# Altium PCB MiniPC.PcbDoc (part 11 of 23)
Units mm, origin at the board's own origin, x right, y up, seen from the top; angles counter-clockwise.
Board outline 175 x 155 mm, 16 copper layers (1_Top, 2_int1_(gnd), 3_int2_(power), 4_int3_(gnd), 5_int4_(sign), 6_int5_(power), 7_int6_(sign), 8_int7_(power), 9_int8_(gnd), 10_int9_(sign), 11_int10_(gnd), 12_int11_(sign), 13_int12_(gnd), 14_int13_(power), 15_int14_(gnd), 16_Bottom), stack 2.008 mm thick; 1046 components, 841 nets, 6010 pads, 4016 vias.
Unrouted connection lines stored in the file: 602.
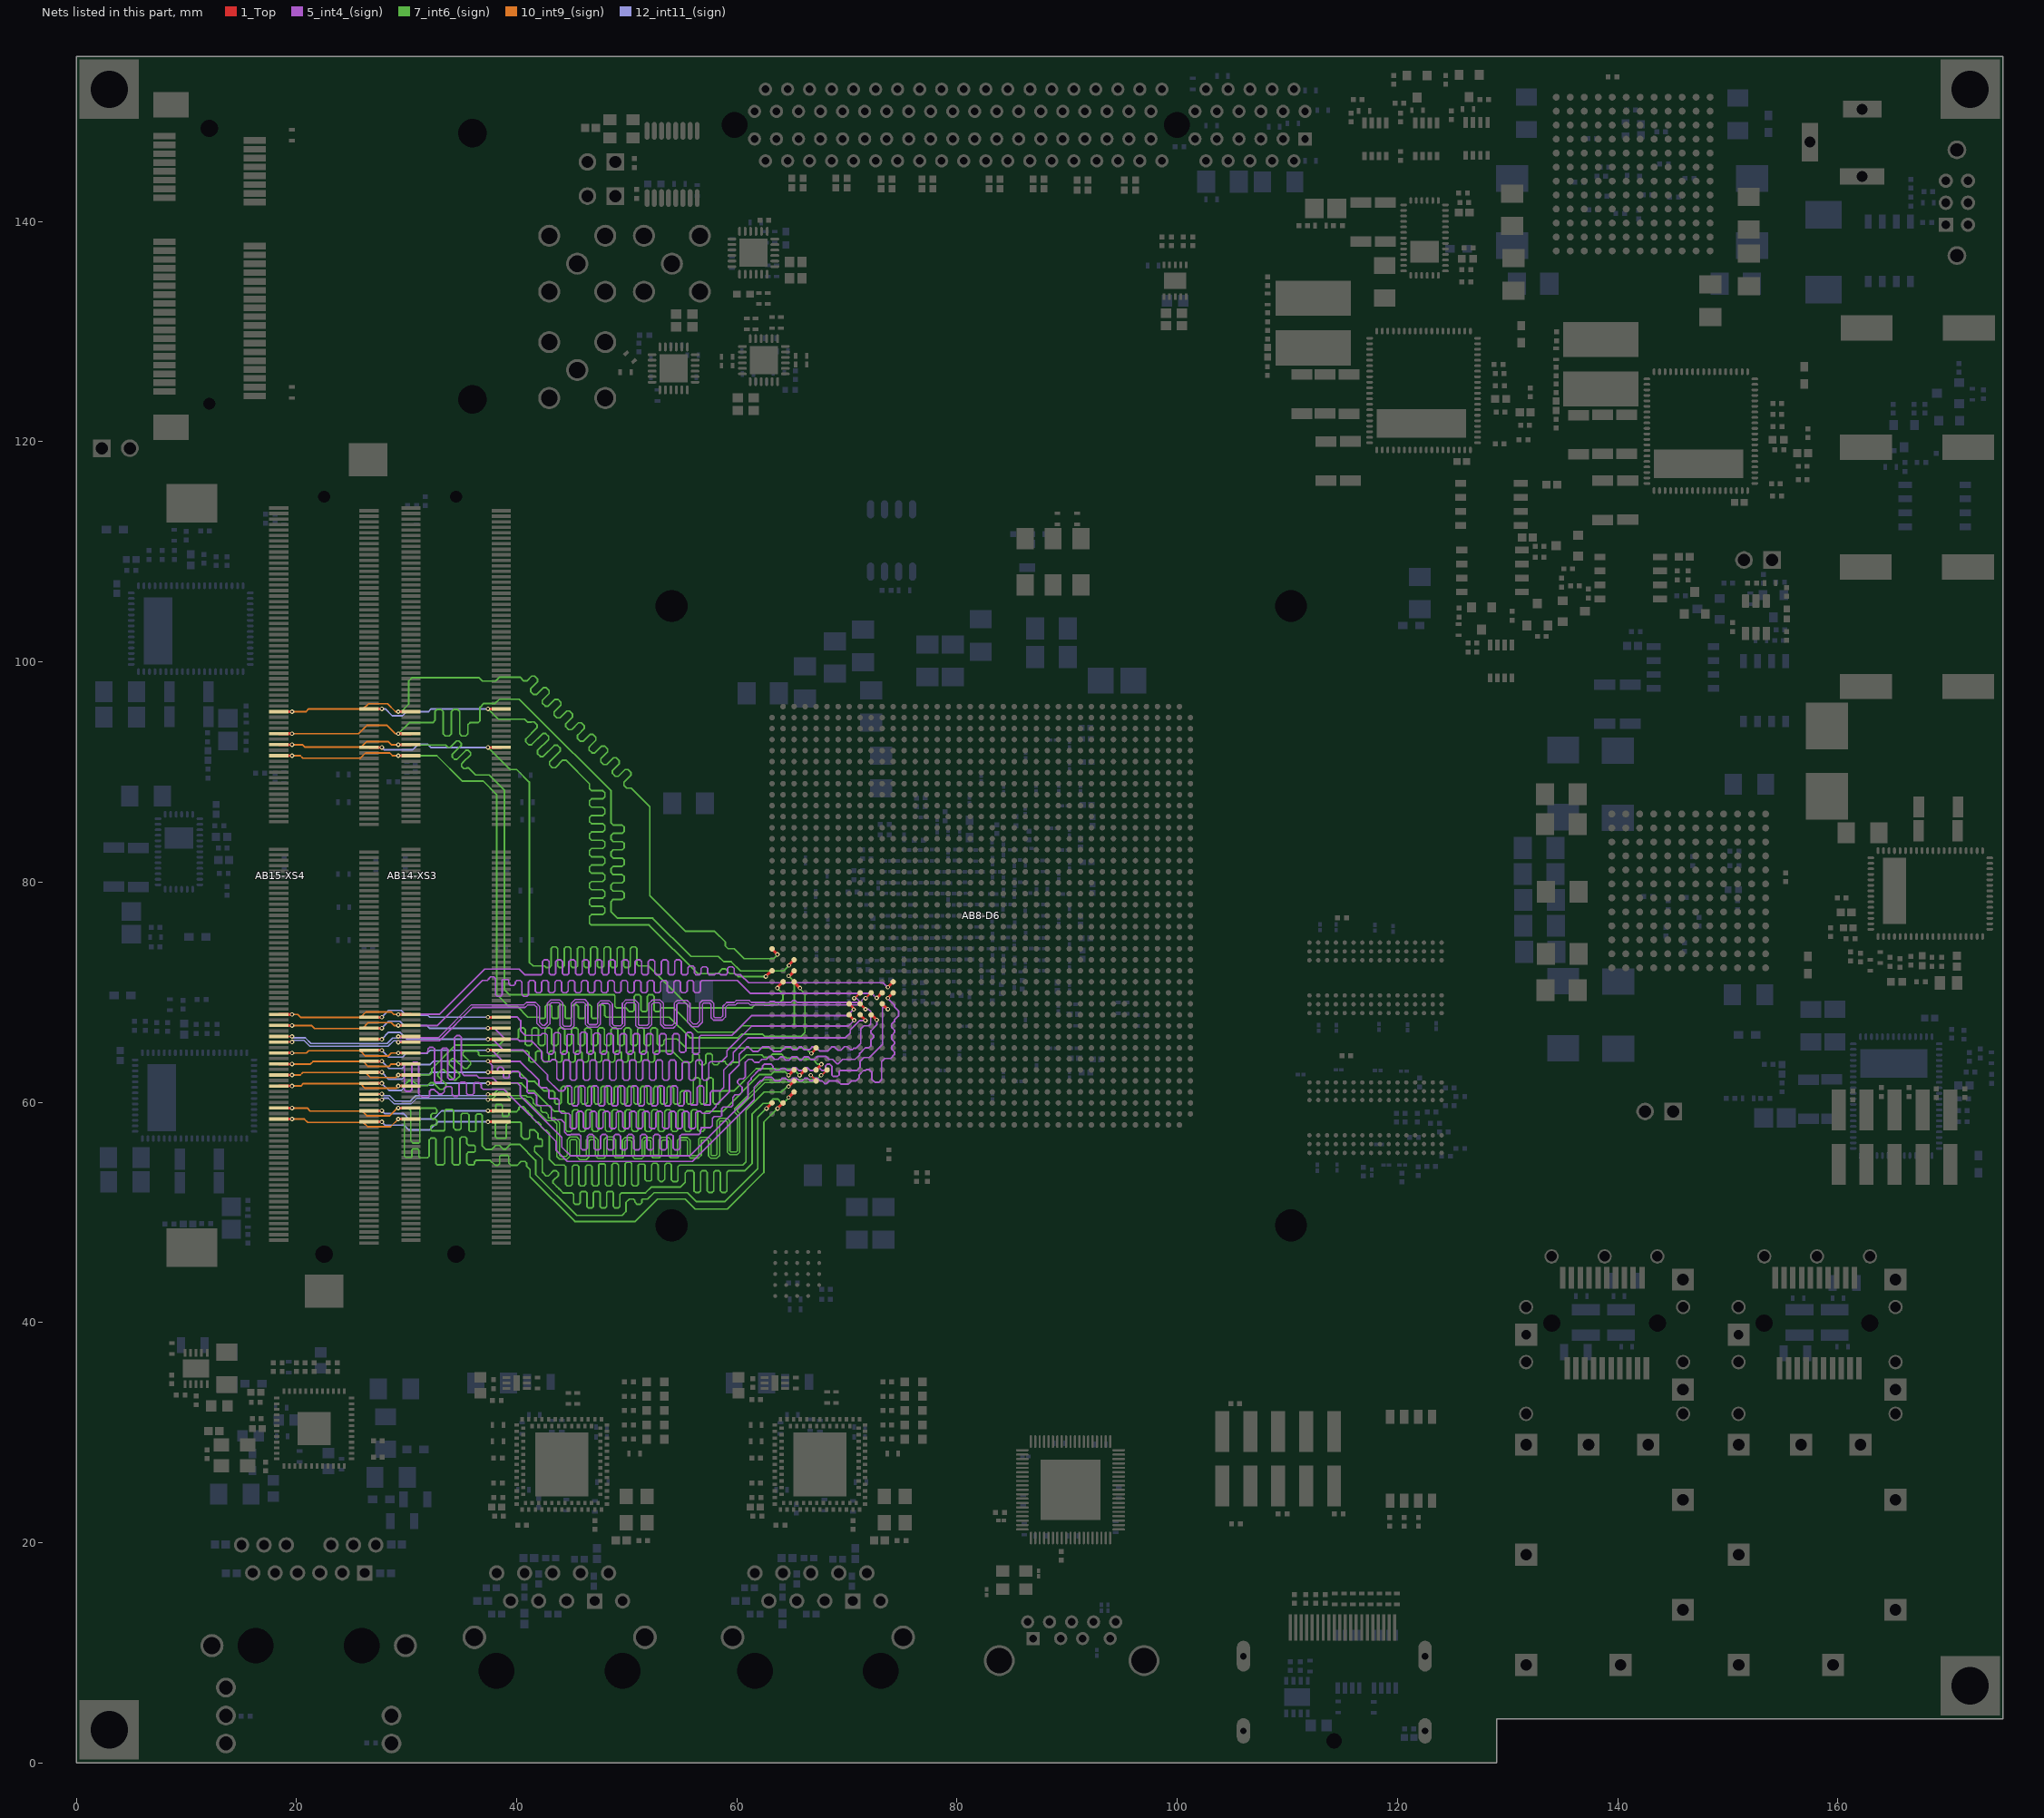
[diagram p25: the nets of this part, all layers, seen from the top]

## Via types
v1: diameter 0.4, hole 0.2, 1_Top to 16_Bottom, tented both sides, 1658 vias
v2: diameter 0.7, hole 0.3, 1_Top to 16_Bottom, tented both sides, 915 vias
v3: diameter 0.5, hole 0.2, 1_Top to 16_Bottom, tented both sides, 854 vias
v4: diameter 0.6, hole 0.2, 1_Top to 16_Bottom, 278 vias
v5: diameter 0.5, hole 0.2, 1_Top to 16_Bottom, 162 vias
v6: diameter 0.4, hole 0.2, 1_Top to 16_Bottom, 100 vias
v7: diameter 0.4/0/0/0/0/0/0/0/0/0/0/0/0/0/0/0.4 (per signal layer), hole 0.2, 1_Top to 16_Bottom, tented both sides, 18 vias
v8: diameter 0.4/0/0/0/0/0/0/0/0/0/0/0.4/0.4/0.4/0.4/0.4 (per signal layer), hole 0.2, 1_Top to 16_Bottom, tented both sides, 16 vias
v9: diameter 0.5, hole 0.254, 1_Top to 16_Bottom, 15 vias

## Nets (pads, with @x,y where several pads share a name; then routed paths per layer and width w, separated by ;. In a path a pad name is that pad's centre, name@x,y a point inside that pad or via, vN(x,y) a via of type N, cw(c..) or ccw(c..) an arc to the next point about the centre after c; other vN are vias at no path point) (continued)
DDR4_BLK1.DL3.DQ16: AB8-D6.AU1 AB14-XS3.50 AB15-XS4.50 | length 79.5
  1_Top w0.25: AB15-XS4.50@18.4,59.475 v1(19.602,59.475) ; v1(29.25,59.475) AB14-XS3.50@30.4,59.475 ; v1(62.694,59.439) AB8-D6.AU1@63.194,59.939
  7_int6_(sign) w0.15: v1(29.25,59.475) 30.125,59.475 30.375,59.225 30.375,56.5 30.575,56.3 31.1,56.3 31.2,56.4 31.2,59.325 31.35,59.475 32.6,59.475 32.75,59.325 32.75,59.075 32.675,59 32.35,59 32.225,58.875 32.225,58.6 32.35,58.475 32.625,58.475 32.75,58.35 32.75,58 32.675,57.925 32.325,57.925 32.2,57.8 32.2,57.5 32.3,57.4 33.375,57.4 33.475,57.5 33.475,59.225 33.6,59.35 34.15,59.35 34.275,59.225 34.275,57.675 34.45,57.5 34.825,57.5 34.95,57.625 34.95,58.875 35.075,59 35.525,59 35.675,58.85 35.675,57.45 35.775,57.35 36.2,57.35 36.3,57.45 36.3,58.825 36.4,58.925 36.75,58.925 36.875,58.8 36.875,56.025 37.175,55.725 37.75,55.725 38.1,56.075 38.45,56.075 38.8,55.725 39,55.725 39.45,56.175 40.275,56.175 41.725,54.725 41.725,53.45 45.45,49.725 49.575,49.725 49.925,50.075 49.925,50.9 50.225,51.2 50.6,51.2 50.725,51.075 50.725,50.95 50.95,50.725 51.2,50.725 51.375,50.9 51.375,51.15 51.425,51.2 51.9,51.2 52.48,51.78 55.52,51.78 56.31,50.99 58.915,50.99 61.902,53.977 61.902,58.648 v1(62.694,59.439)
  10_int9_(sign) w0.15: v1(19.602,59.475) 20.975,59.475 21.25,59.2 25.95,59.2 26.375,58.775 28.475,58.775 29.175,59.475 v1(29.25,59.475)
DDR4_BLK1.DL3.DQ17: AB8-D6.AR3 AB14-XS3.49 AB15-XS4.49 | length 82.7
  1_Top w0.25: AB15-XS4.49@26.6,59.225 v1(27.75,59.225) ; v1(37.398,59.225) AB14-XS3.49@38.6,59.225 ; v1(64.694,61.439) AB8-D6.AR3@65.194,61.939
  7_int6_(sign) w0.15: v1(37.398,59.225) 37.473,59.15 37.9,59.15 38.1,59.35 38.1,59.729 38.171,59.8 38.6,59.8 38.7,59.7 38.7,58.8 38.775,58.725 39.2,58.725 39.3,58.825 39.3,59.05 39.4,59.15 40,59.15 40.2,59.35 40.2,59.5 40.3,59.6 40.6,59.6 41.025,59.175 41.025,59.15 41.4,58.775 41.4,58.575 41.775,58.2 41.975,58.2 42.2,57.975 42.2,57.8 42.525,57.475 42.7,57.475 42.975,57.2 42.975,54.8 43.475,54.3 44.3,54.3 44.45,54.15 44.45,52.555 44.6,52.405 44.9,52.405 45.05,52.555 45.05,54.15 45.2,54.3 45.5,54.3 45.65,54.15 45.65,52.555 45.8,52.405 46.1,52.405 46.25,52.555 46.25,54.15 46.4,54.3 46.7,54.3 46.85,54.15 46.85,52.555 47,52.405 47.3,52.405 47.45,52.555 47.45,54.3 47.56,54.41 47.94,54.41 48.05,54.3 48.05,52.555 48.2,52.405 48.5,52.405 48.65,52.555 48.65,54.305 48.8,54.455 49.1,54.455 49.25,54.305 49.25,52.555 49.4,52.405 49.7,52.405 49.85,52.555 49.85,54.424 50,54.574 50.3,54.574 50.45,54.424 50.45,52.555 50.6,52.405 50.9,52.405 51.05,52.555 51.05,54.3 51.135,54.385 51.565,54.385 51.65,54.3 51.65,53 51.8,52.85 52.15,52.85 52.25,52.95 52.25,54.305 52.4,54.455 52.7,54.455 52.85,54.305 52.85,53 53.05,52.8 53.25,52.8 53.45,53 53.45,54.311 53.6,54.461 53.9,54.461 54.05,54.311 54.05,52.95 54.2,52.8 54.55,52.8 54.65,52.9 54.65,54.15 54.8,54.3 60.525,54.3 60.825,54.6 60.825,59.275 62.475,60.925 64.05,60.925 64.564,61.439 v1(64.694,61.439)
  12_int11_(sign) w0.15: v1(27.75,59.225) 28,58.975 29.725,58.975 30.225,58.475 32.45,58.475 33.2,59.225 v1(37.398,59.225)
DDR4_BLK1.DL3.DQ18: AB8-D6.AM5 AB14-XS3.62 AB15-XS4.62 | length 83.6
  1_Top w0.25: AB15-XS4.62@18.4,62.475 v1(19.602,62.475) ; v1(29.25,62.475) AB14-XS3.62@30.4,62.475 ; v1(66.775,64.425) 66.775,64.45 67.194,64.869 AB8-D6.AM5@67.194,64.939
  7_int6_(sign) w0.15: v1(29.25,62.475) 29.275,62.5 32.1,62.5 32.3,62.7 32.3,63.05 34.45,65.2 38.4,65.2 38.95,65.75 40.025,65.75 40.175,65.9 40.175,66.6 40.325,66.75 40.625,66.75 40.775,66.6 40.775,65.31 40.925,65.16 41.225,65.16 41.375,65.31 41.375,66.6 41.525,66.75 41.825,66.75 41.975,66.6 41.975,65.31 42.125,65.16 42.425,65.16 42.575,65.31 42.575,66.6 42.725,66.75 43.025,66.75 43.175,66.6 43.175,65.31 43.325,65.16 43.625,65.16 43.775,65.31 43.775,66.6 43.925,66.75 44.225,66.75 44.375,66.6 44.375,65.31 44.525,65.16 44.825,65.16 44.975,65.31 44.975,66.6 45.125,66.75 45.425,66.75 45.575,66.6 45.575,65.31 45.725,65.16 46.025,65.16 46.175,65.31 46.175,66.6 46.325,66.75 46.625,66.75 46.775,66.6 46.775,65.31 46.925,65.16 47.225,65.16 47.375,65.31 47.375,66.6 47.525,66.75 47.825,66.75 47.975,66.6 47.975,65.31 48.125,65.16 48.425,65.16 48.575,65.31 48.575,66.6 48.725,66.75 49.025,66.75 49.175,66.6 49.175,65.31 49.325,65.16 49.625,65.16 49.775,65.31 49.775,66.6 49.925,66.75 50.225,66.75 50.375,66.6 50.375,65.31 50.525,65.16 50.825,65.16 50.975,65.31 50.975,66.6 51.125,66.75 51.425,66.75 51.575,66.6 51.575,65.31 51.725,65.16 52.025,65.16 52.175,65.31 52.175,66.6 52.325,66.75 52.625,66.75 52.775,66.6 52.775,65.31 52.925,65.16 53.225,65.16 53.375,65.31 53.375,65.6 53.525,65.75 54.576,65.75 55.401,64.925 66.208,64.925 66.708,64.425 v1(66.775,64.425)
  10_int9_(sign) w0.15: v1(19.602,62.475) 20.35,62.475 20.575,62.7 26.25,62.7 26.7,62.25 29.025,62.25 v1(29.25,62.475)
DDR4_BLK1.DL3.DQ19: AB8-D6.AP4 AB14-XS3.63 AB15-XS4.63 | length 82.5
  1_Top w0.25: AB15-XS4.63@26.6,62.725 v1(27.75,62.725) ; v1(37.398,62.725) AB14-XS3.63@38.6,62.725 ; v1(65.694,62.439) AB8-D6.AP4@66.194,62.939
  7_int6_(sign) w0.15: v1(37.398,62.725) 37.448,62.775 40.2,62.775 41.088,61.887 41.638,61.887 42.501,61.025 43.3,61.025 43.45,60.875 43.45,59.975 43.6,59.825 43.9,59.825 44.05,59.975 44.05,61.302 44.2,61.452 44.5,61.452 44.65,61.302 44.65,59.975 44.8,59.825 45.1,59.825 45.25,59.975 45.25,61.302 45.4,61.452 45.7,61.452 45.85,61.302 45.85,59.975 46,59.825 46.3,59.825 46.45,59.975 46.45,61.302 46.6,61.452 46.9,61.452 47.05,61.302 47.05,59.975 47.2,59.825 47.5,59.825 47.65,59.975 47.65,61.302 47.8,61.452 48.1,61.452 48.25,61.302 48.25,59.975 48.4,59.825 48.7,59.825 48.85,59.975 48.85,61.302 49,61.452 49.3,61.452 49.45,61.302 49.45,59.975 49.6,59.825 49.9,59.825 50.05,59.975 50.05,61.302 50.2,61.452 50.5,61.452 50.65,61.302 50.65,59.975 50.8,59.825 51.1,59.825 51.25,59.975 51.25,61.302 51.4,61.452 51.7,61.452 51.85,61.302 51.85,59.975 52,59.825 52.3,59.825 52.45,59.975 52.45,61.302 52.6,61.452 52.9,61.452 53.05,61.302 53.05,59.975 53.2,59.825 53.5,59.825 53.65,59.975 53.65,61.302 53.8,61.452 54.1,61.452 54.25,61.302 54.25,59.975 54.4,59.825 54.7,59.825 54.85,59.975 54.85,60.875 55,61.025 55.3,61.025 55.45,60.875 55.45,59.975 55.6,59.825 55.9,59.825 56.05,59.975 56.05,62.075 56.2,62.225 56.5,62.225 56.65,62.075 56.65,59.975 56.8,59.825 57.1,59.825 57.25,59.975 57.25,62.075 57.4,62.225 57.7,62.225 57.85,62.075 57.85,59.975 58,59.825 58.3,59.825 58.45,59.975 58.45,60.875 58.6,61.025 59.725,61.025 61.753,63.053 63.517,63.053 63.545,63.025 64.476,63.025 64.501,63 65.133,63 v1(65.694,62.439)
  12_int11_(sign) w0.15: v1(27.75,62.725) 28.375,62.1 29.575,62.1 30,62.525 32.05,62.525 32.25,62.725 v1(37.398,62.725)
DDR4_BLK1.DL3.DQ20: AB8-D6.AU2 AB14-XS3.46 AB15-XS4.46 | length 79.5
  1_Top w0.25: AB15-XS4.46@18.4,58.475 v1(19.602,58.475) ; v1(29.25,58.475) AB14-XS3.46@30.4,58.475 ; v1(63.694,59.439) AB8-D6.AU2@64.194,59.939
  7_int6_(sign) w0.15: v1(29.25,58.475) 29.7,58.475 29.8,58.375 29.8,55.125 29.925,55 30.425,55 30.475,55.05 30.475,55.65 30.575,55.75 31.025,55.75 31.125,55.65 31.125,55.05 31.225,54.95 31.9,54.95 32.05,55.1 32.05,56.575 32.225,56.75 32.55,56.75 32.675,56.625 32.675,54.425 32.775,54.325 33.325,54.325 33.475,54.475 33.475,56.7 33.625,56.85 34,56.85 34.15,56.7 34.15,54.475 34.3,54.325 34.725,54.325 34.85,54.45 34.85,56.7 35,56.85 35.325,56.85 35.475,56.7 35.475,56.25 35.625,56.1 36.125,56.1 36.225,56 36.225,55.55 36.15,55.475 35.625,55.475 35.475,55.325 35.475,54.475 35.625,54.325 36.075,54.325 36.175,54.425 36.175,54.6 36.3,54.725 37.6,54.725 38.05,54.275 38.3,54.275 38.45,54.425 38.45,55.075 38.55,55.175 39.2,55.175 39.275,55.1 39.275,54.5 39.5,54.275 40.05,54.275 40.4,54.625 40.75,54.625 40.9,54.475 40.9,54.2 41.215,53.885 41.215,53.239 45.279,49.175 50.775,49.175 52.8,51.2 55.3,51.2 56.2,50.3 59.125,50.3 62.45,53.625 62.45,58.195 v1(63.694,59.439)
  10_int9_(sign) w0.15: v1(19.602,58.475) 20.72,58.475 21.02,58.175 26.05,58.175 26.45,57.775 28.55,57.775 v1(29.25,58.475)
DDR4_BLK1.DL3.DQ21: AB8-D6.AT3 AB14-XS3.45 AB15-XS4.45 | length 79.8
  1_Top w0.25: AB15-XS4.45@26.6,58.225 v1(27.75,58.225) ; v1(37.398,58.225) AB14-XS3.45@38.6,58.225 ; v1(64.694,60.439) AB8-D6.AT3@65.194,60.939
  7_int6_(sign) w0.15: v1(37.398,58.225) 37.9,58.225 38.075,58.05 38.075,56.875 38.225,56.725 38.975,56.725 39.05,56.8 39.05,57.95 39.3,58.2 40.3,58.2 40.425,58.075 40.425,56.9 40.65,56.675 41.05,56.675 41.175,56.8 41.175,57.45 41.225,57.5 41.6,57.5 41.925,57.175 41.925,56.75 42,56.675 42.225,56.675 42.325,56.575 42.325,56 41.7,56 41.625,55.925 41.625,55.55 42.325,54.85 42.325,53.65 42.353,53.622 42.671,53.304 42.883,53.304 43.369,53.79 43.581,53.79 43.793,53.578 43.793,53.366 43.307,52.88 43.307,52.668 43.625,52.35 43.837,52.138 44.2,51.775 44.275,51.775 44.575,51.775 45.025,51.775 45.175,51.625 45.175,50.877 45.325,50.727 45.625,50.727 45.775,50.877 45.775,51.775 45.895,51.895 46.255,51.895 46.375,51.775 46.375,50.54 46.525,50.39 46.825,50.39 46.975,50.54 46.975,51.775 47.095,51.895 47.455,51.895 47.575,51.775 47.575,50.54 47.725,50.39 48.025,50.39 48.175,50.54 48.175,51.775 48.295,51.895 48.655,51.895 48.775,51.775 48.775,50.54 48.925,50.39 49.225,50.39 49.375,50.54 49.375,51.625 49.525,51.775 49.775,51.775 51.7,51.775 52.215,52.29 54.861,52.29 55.3,52.729 55.3,53.575 55.515,53.79 55.95,53.79 56.1,53.64 56.1,51.965 56.25,51.815 56.55,51.815 56.7,51.965 56.7,53.64 56.85,53.79 57.15,53.79 57.3,53.64 57.3,51.965 57.45,51.815 57.75,51.815 57.9,51.965 57.9,53.64 58.05,53.79 58.35,53.79 58.5,53.64 58.5,51.965 58.65,51.815 58.95,51.815 59.1,51.965 59.1,53.64 59.25,53.79 59.7,53.79 60.3,53.79 60.6,53.79 60.736,53.79 61.375,54.429 61.375,58.9 62.375,59.9 62.9,59.9 63.3,60.3 63.7,60.3 64.05,59.95 64.25,59.95 64.694,60.394 v1(64.694,60.439)
  12_int11_(sign) w0.15: v1(27.75,58.225) 28.05,57.925 29.75,57.925 30.175,57.5 32.125,57.5 32.85,58.225 v1(37.398,58.225)
DDR4_BLK1.DL3.DQ22: AB8-D6.AP5 AB14-XS3.58 AB15-XS4.58 | length 82.5
  1_Top w0.25: AB15-XS4.58@18.4,61.475 v1(19.602,61.475) ; v1(29.25,61.475) AB14-XS3.58@30.4,61.475 ; AB8-D6.AP5@67.194,62.939 67.675,63.42 v1(67.675,63.45)
  7_int6_(sign) w0.15: v1(29.25,61.475) 29.275,61.5 29.725,61.5 30.2,61.975 30.55,61.975 31.025,61.5 31.9,61.5 32.162,61.762 32.438,61.762 33.025,61.175 33.3,61.175 33.575,61.45 33.575,61.675 32.825,62.425 32.825,62.575 33.225,62.975 33.35,62.975 34.3,62.025 34.475,62.025 34.825,62.375 34.825,62.525 33.85,63.5 33.85,63.675 34.125,63.95 34.35,63.95 35.225,63.075 35.475,63.075 35.825,63.425 35.825,63.625 35.125,64.325 35.125,64.525 35.25,64.65 36.4,64.65 36.55,64.5 36.55,64.325 36.65,64.225 38.05,64.225 38.475,64.65 40.975,64.65 41.125,64.5 41.125,63.8 41.275,63.65 41.575,63.65 41.725,63.8 41.725,64.5 41.875,64.65 42.175,64.65 42.325,64.5 42.325,63.8 42.475,63.65 42.775,63.65 42.925,63.8 42.925,64.5 43.075,64.65 43.375,64.65 43.525,64.5 43.525,63.8 43.675,63.65 43.975,63.65 44.125,63.8 44.125,64.5 44.275,64.65 44.575,64.65 44.725,64.5 44.725,63.8 44.875,63.65 45.175,63.65 45.325,63.8 45.325,64.5 45.475,64.65 45.775,64.65 45.925,64.5 45.925,63.8 46.075,63.65 46.375,63.65 46.525,63.8 46.525,64.5 46.675,64.65 46.975,64.65 47.125,64.5 47.125,63.8 47.275,63.65 47.575,63.65 47.725,63.8 47.725,64.5 47.875,64.65 48.175,64.65 48.325,64.5 48.325,63.8 48.475,63.65 48.775,63.65 48.925,63.8 48.925,64.5 49.075,64.65 49.375,64.65 49.525,64.5 49.525,63.8 49.675,63.65 49.975,63.65 50.125,63.8 50.125,64.5 50.275,64.65 50.575,64.65 50.725,64.5 50.725,63.8 50.875,63.65 51.175,63.65 51.325,63.8 51.325,64.5 51.475,64.65 51.775,64.65 51.925,64.5 51.925,63.8 52.075,63.65 52.375,63.65 52.525,63.8 52.525,64.5 52.675,64.65 54.15,64.65 55.175,63.625 55.825,63.625 55.975,63.775 55.975,64.265 56.125,64.415 56.425,64.415 56.575,64.265 56.575,63.547 56.725,63.397 57.025,63.397 57.175,63.547 57.175,64.265 57.325,64.415 57.625,64.415 57.775,64.265 57.775,63.547 57.925,63.397 58.225,63.397 58.375,63.547 58.375,63.625 58.463,63.713 58.887,63.713 58.975,63.625 58.975,63.547 59.125,63.397 59.425,63.397 59.653,63.625 60.179,63.625 60.867,64.313 62.25,64.313 62.25,64.295 62.47,64.075 62.95,64.075 63.25,64.375 64.025,64.375 64.325,64.075 64.445,64.075 64.495,64.025 65.475,64.025 65.575,63.925 66.875,63.925 67.35,63.45 v1(67.675,63.45)
  10_int9_(sign) w0.15: v1(19.602,61.475) 20.4,61.475 20.625,61.7 25.8,61.7 26.225,61.275 29.05,61.275 v1(29.25,61.475)
DDR4_BLK1.DL3.DQ23: AB8-D6.AP3 AB14-XS3.59 AB15-XS4.59 | length 82.5
  1_Top w0.25: AB15-XS4.59@26.6,61.725 v1(27.75,61.725) ; v1(37.398,61.725) AB14-XS3.59@38.6,61.725 ; v1(64.694,62.439) AB8-D6.AP3@65.194,62.939
  7_int6_(sign) w0.15: v1(37.398,61.725) 40.45,61.725 41.15,61.025 41.6,61.025 43.45,59.175 44.3,59.175 44.45,59.025 44.45,57.5 44.6,57.35 44.9,57.35 45.05,57.5 45.05,59.175 45.2,59.325 45.5,59.325 45.65,59.175 45.65,57.5 45.8,57.35 46.1,57.35 46.25,57.5 46.25,59.175 46.4,59.325 46.7,59.325 46.85,59.175 46.85,57.5 47,57.35 47.3,57.35 47.45,57.5 47.45,59.175 47.6,59.325 47.9,59.325 48.05,59.175 48.05,57.5 48.2,57.35 48.5,57.35 48.65,57.5 48.65,59.175 48.8,59.325 49.1,59.325 49.25,59.175 49.25,57.5 49.4,57.35 49.7,57.35 49.85,57.5 49.85,59.175 50,59.325 50.3,59.325 50.45,59.175 50.45,57.5 50.6,57.35 50.9,57.35 51.05,57.5 51.05,59.175 51.2,59.325 51.5,59.325 51.65,59.175 51.65,57.5 51.8,57.35 52.1,57.35 52.25,57.5 52.25,59.175 52.4,59.325 52.7,59.325 52.85,59.175 52.85,57.5 53,57.35 53.3,57.35 53.45,57.5 53.45,59.175 53.6,59.325 53.9,59.325 54.05,59.175 54.05,57.5 54.2,57.35 54.5,57.35 54.65,57.5 54.65,59.175 54.8,59.325 55.1,59.325 55.25,59.175 55.25,57.5 55.4,57.35 55.7,57.35 55.85,57.5 55.85,59.175 56,59.325 56.3,59.325 56.45,59.175 56.45,57.5 56.6,57.35 56.9,57.35 57.05,57.5 57.05,59.025 57.2,59.175 58.725,59.175 62.075,62.525 63.125,62.525 63.375,62.775 64.358,62.775 v1(64.694,62.439)
  12_int11_(sign) w0.15: v1(27.75,61.725) 28.4,61.075 29.525,61.075 30,61.55 32.4,61.55 32.575,61.725 v1(37.398,61.725)
DDR4_BLK1.DL3.DQS2_N: AB8-D6.AP6 AB14-XS3.53 AB15-XS4.53 | length 84.2
  1_Top w0.15: AB15-XS4.53@26.6,60.225 v1(27.75,60.225) ; v1(37.398,60.225) AB14-XS3.53@38.6,60.225 ; v1(67.65,62.45) 67.7,62.45 68.189,62.939 AB8-D6.AP6@68.194,62.939
  7_int6_(sign) w0.13: v1(37.398,60.225) 37.523,60.35 37.839,60.35 38.424,60.935 38.801,60.935 39.376,60.36 40.74,60.36 42.765,58.335 43.365,58.335 43.65,58.05 43.65,55.086 43.901,54.835 44.574,54.835 44.825,55.086 44.825,56.475 44.95,56.6 45.35,56.6 45.475,56.475 45.475,55.061 45.736,54.8 46.325,54.8 46.565,55.04 46.565,56.49 46.685,56.61 47.015,56.61 47.15,56.475 47.15,55.136 47.376,54.91 47.935,54.91 48.165,55.14 48.165,56.5 48.275,56.61 48.64,56.61 48.75,56.5 48.75,55.186 48.976,54.96 49.624,54.96 49.84,55.176 49.84,56.465 49.925,56.55 50.336,56.55 50.45,56.436 50.45,55.136 50.701,54.885 51.374,54.885 51.615,55.126 51.615,56.49 51.675,56.55 52.1,56.55 52.175,56.475 52.175,55.161 52.376,54.96 52.949,54.96 53.165,55.176 53.165,56.476 53.264,56.575 53.675,56.575 53.775,56.475 53.775,55.161 53.976,54.96 54.624,54.96 54.84,55.176 54.84,56.45 54.94,56.55 55.425,56.55 55.525,56.45 55.525,55.186 55.776,54.935 56.524,54.935 56.765,55.176 56.765,56.54 56.8,56.575 57.325,56.575 57.425,56.475 57.425,55.125 57.64,54.91 58.174,54.91 58.425,55.161 58.425,58.2 58.525,58.3 59.025,58.3 59.125,58.2 59.125,55.475 59.365,55.235 60.024,55.235 60.265,55.476 60.265,58.969 60.04,59.194 60.04,59.301 62.329,61.59 ; 62.329,61.591 62.529,61.79 63.901,61.79 63.945,61.834 67.116,61.834 67.308,62.026 67.308,62.125 67.633,62.45 v1(67.65,62.45)
  10_int9_(sign) w0.13: 27.271,60.305 27.191,60.225 ; v1(27.75,60.225) 27.191,60.225 ; 27.191,60.225 27.141,60.175 27.139,60.175 27.089,60.225 27.191,60.225
  12_int11_(sign) w0.13: v1(27.75,60.225) 27.9,60.375 28.35,60.375 28.855,59.87 30.434,59.87 30.904,60.34 37.283,60.34 v1(37.398,60.225)
DDR4_BLK1.DL3.DQS2_P: AB8-D6.AR5 AB14-XS3.55 AB15-XS4.55 | length 83.4
  1_Top w0.15: AB15-XS4.55@26.6,60.725 26.628,60.753 v1(27.751,60.753) ; v1(37.398,60.725) AB14-XS3.55@38.6,60.725 ; v1(66.7,62.45) 66.7,62.438 67.194,61.944 AB8-D6.AR5@67.194,61.939
  7_int6_(sign) w0.13: v1(37.398,60.725) 37.523,60.6 37.75,60.6 38.325,61.175 38.9,61.175 39.475,60.6 40.839,60.6 40.964,60.475 41.275,60.475 41.5,60.25 41.5,59.939 41.725,59.714 42.036,59.714 42.2,59.55 42.2,59.239 42.364,59.075 42.65,59.075 42.875,58.85 42.875,58.575 43.464,58.575 43.89,58.149 43.89,55.185 44,55.075 44.475,55.075 44.585,55.185 44.585,56.574 44.851,56.84 45.449,56.84 45.715,56.574 45.715,55.16 45.8,55.075 46.25,55.075 46.325,55.15 46.325,56.589 46.586,56.85 47.114,56.85 47.39,56.574 47.39,55.235 47.475,55.15 47.836,55.15 47.925,55.239 47.925,56.599 48.176,56.85 48.739,56.85 48.99,56.599 48.99,55.285 49.075,55.2 49.525,55.2 49.6,55.275 49.6,56.564 49.826,56.79 50.435,56.79 50.69,56.535 50.69,55.235 50.8,55.125 51.275,55.125 51.375,55.225 51.375,56.589 51.576,56.79 52.199,56.79 52.415,56.574 52.415,55.26 52.475,55.2 52.85,55.2 52.925,55.275 52.925,56.575 53.165,56.815 53.774,56.815 54.015,56.574 54.015,55.26 54.075,55.2 54.525,55.2 54.6,55.275 54.6,56.549 54.841,56.79 55.524,56.79 55.765,56.549 55.765,55.285 55.875,55.175 56.425,55.175 56.525,55.275 56.525,56.639 56.701,56.815 57.424,56.815 57.665,56.574 57.665,55.224 57.739,55.15 58.075,55.15 58.185,55.26 58.185,58.299 58.426,58.54 59.124,58.54 59.365,58.299 59.365,55.574 59.464,55.475 59.925,55.475 60.025,55.575 60.025,58.87 59.8,59.095 59.8,59.4 62.089,61.689 62.429,62.03 63.801,62.03 63.845,62.074 67.017,62.074 67.068,62.125 66.743,62.45 v1(66.7,62.45)
  12_int11_(sign) w0.13: v1(27.751,60.753) 27.889,60.615 28.449,60.615 28.954,60.11 30.335,60.11 30.835,60.61 37.283,60.61 v1(37.398,60.725)
DDR4_BLK1.DL4.DM3: AB8-D6.AJ9 AB14-XS3.75 AB15-XS4.75 | length 88.9
  1_Top w0.25: AB15-XS4.75@26.6,65.725 v1(27.75,65.725) ; v1(37.398,65.725) AB14-XS3.75@38.6,65.725 ; AB8-D6.AJ9@71.194,67.939 71.675,67.458 v1(71.675,67.425)
  5_int4_(sign) w0.15: v1(37.398,65.725) 37.825,65.725 38.8,64.75 40.55,64.75 42.8,62.5 42.8,62.05 43.813,61.037 44.25,61.037 44.4,61.187 44.4,61.337 44.55,61.487 44.85,61.487 45,61.337 45,59.811 45.15,59.661 45.45,59.661 45.6,59.811 45.6,61.337 45.75,61.487 46.05,61.487 46.2,61.337 46.2,59.811 46.35,59.661 46.65,59.661 46.8,59.811 46.8,61.337 46.95,61.487 47.25,61.487 47.4,61.337 47.4,59.811 47.55,59.661 47.85,59.661 48,59.811 48,61.337 48.15,61.487 48.45,61.487 48.6,61.337 48.6,59.811 48.75,59.661 49.05,59.661 49.2,59.811 49.2,61.337 49.35,61.487 49.65,61.487 49.8,61.337 49.8,59.811 49.95,59.661 50.25,59.661 50.4,59.811 50.4,61.337 50.55,61.487 50.85,61.487 51,61.337 51,59.811 51.15,59.661 51.45,59.661 51.6,59.811 51.6,61.337 51.75,61.487 52.05,61.487 52.2,61.337 52.2,59.811 52.35,59.661 52.65,59.661 52.8,59.811 52.8,61.337 52.95,61.487 53.25,61.487 53.4,61.337 53.4,59.811 53.55,59.661 53.85,59.661 54,59.811 54,61.337 54.15,61.487 54.45,61.487 54.6,61.337 54.6,59.811 54.75,59.661 55.05,59.661 55.2,59.811 55.2,60.887 55.35,61.037 55.65,61.037 55.8,60.887 55.8,59.811 55.861,59.75 56.339,59.75 56.4,59.811 56.4,61.337 56.55,61.487 56.85,61.487 57,61.337 57,59.811 57.061,59.75 57.539,59.75 57.6,59.811 57.6,60.887 57.75,61.037 58.495,61.037 58.8,61.342 58.8,62.925 59.675,63.8 59.675,64.529 61.011,65.865 69.865,65.865 70.3,66.3 70.3,66.555 71.17,67.425 v1(71.675,67.425)
  12_int11_(sign) w0.15: v1(27.75,65.725) 28.375,66.35 29.405,66.35 30.03,65.725 v1(37.398,65.725)